# Altium PCB UM-64NNP-V1 rev 0.18.PcbDoc (part 4 of 5)
Units mil, origin at the board's own origin, x right, y up, seen from the top; angles counter-clockwise.
Board outline 3401.4 x 1878.03 mil, 6 copper layers (L1, L2, L3, L4, L5, L6), stack 20.4 mil thick; 336 components, 172 nets, 991 pads, 1862 vias.
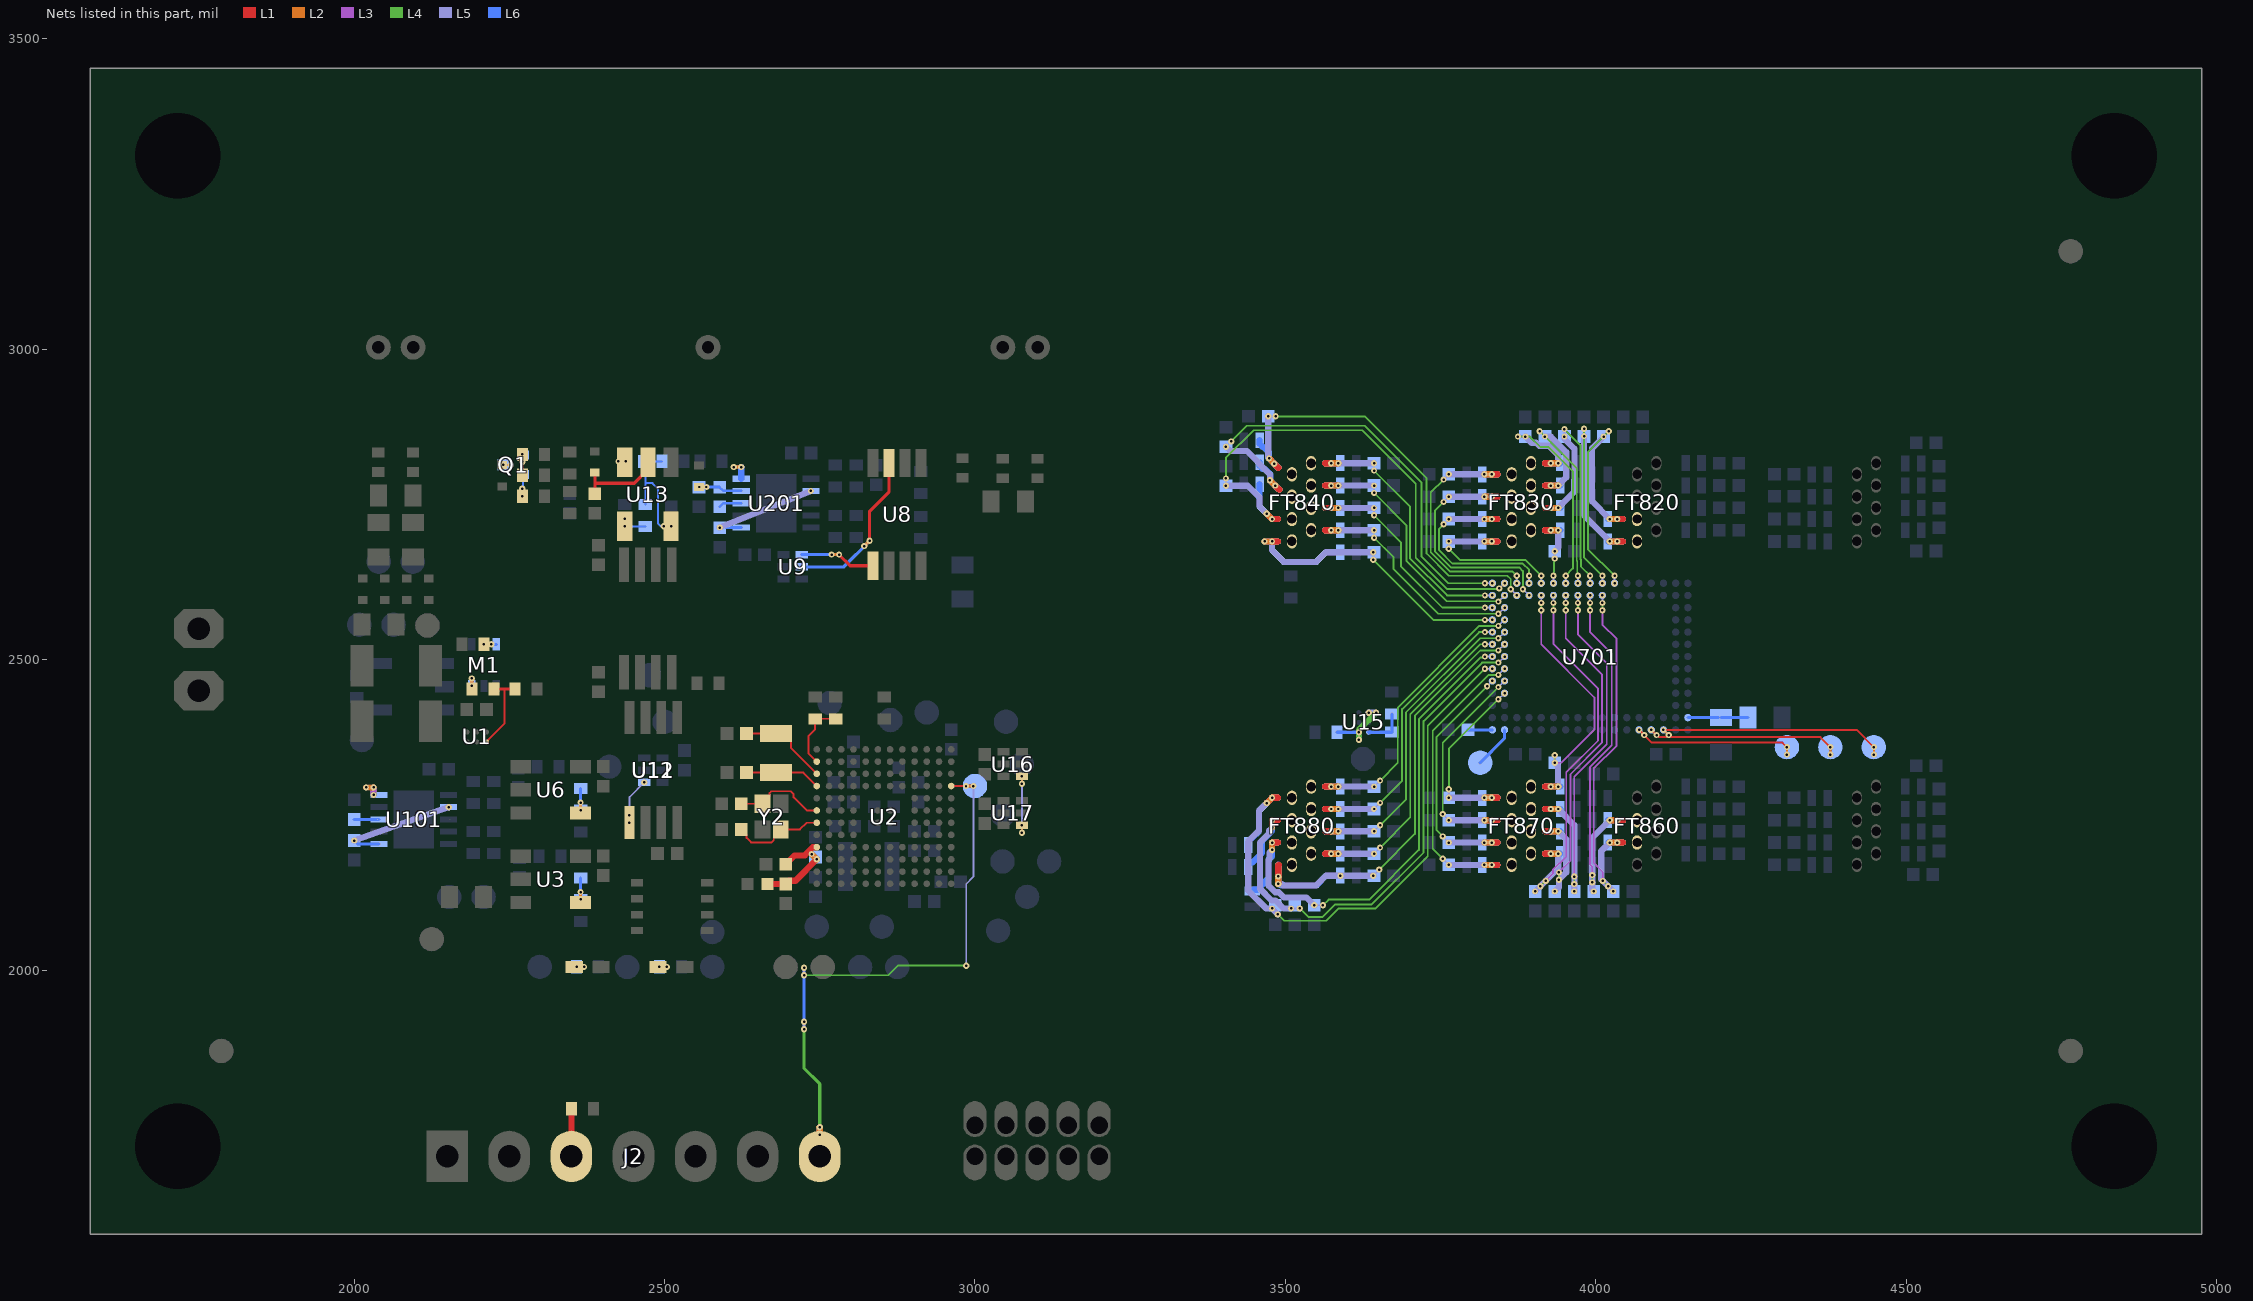
[diagram p8: the nets of this part, all layers, seen from the top]

## Via types
v1: diameter 10, hole 4, L5 to L6, tented bottom, 502 vias
v2: diameter 10, hole 4, L4 to L5, tented top, 404 vias
v3: diameter 10, hole 4, L3 to L4, 320 vias
v4: diameter 10, hole 4, L2 to L3, 311 vias
v5: diameter 10, hole 4, L1 to L2, tented top, 285 vias
v6: diameter 10, hole 4, L4 to L5, 34 vias
v7: diameter 10, hole 4, L3 to L4, tented both sides, 5 vias
v8: diameter 10, hole 4, L5 to L6, tented top, 1 vias

## Nets (pads, with @x,y where several pads share a name; then routed paths per layer and width w, separated by ;. In a path a pad name is that pad's centre, name@x,y a point inside that pad or via, vN(x,y) a via of type N, cw(c..) or ccw(c..) an arc to the next point about the centre after c; other vN are vias at no path point) (continued)
IN28: C823.2 D823.1 FT820.3 U701.A7 | length 558.6
  L1 w10: v1(4034.51,2726.5) 4043.63,2726.5
  L3 w10: v2(4022.51,2726.5) v1(4034.51,2726.5) 4043.63,2726.5
  L4 w3: v2(4020.99,2867.84) 3987.21,2834.07 3987.21,2678.19 v2(4030.22,2635.18)
  L4 w10: v2(4022.51,2726.5) v1(4034.51,2726.5) 4043.63,2726.5
  L2 w10: v2(4022.51,2726.5) v1(4034.51,2726.5) 4043.63,2726.5
  L5 w3: v1(4012.5,2859.36) v2(4020.99,2867.84) ; v1(4030.22,2623.18) v2(4030.22,2635.18)
  L5 w10: v1(4012.5,2859.36) 3994,2840.86 3994,2755.01 v2(4022.51,2726.5) v1(4034.51,2726.5) 4043.63,2726.5
  L6 w10: D823.1@4019.39,2726.5 v1(4034.51,2726.5) 4043.63,2726.5
  other v3: 4034.51,2726.5
  other v4: 4022.51,2726.5
  other v5: 4034.51,2726.5
IN29: C863.2 D863.1 FT860.3 U701.B8 | length 713
  L1 w10: v1(4034.51,2205.5) 4043.63,2205.5
  L3 w3: v3(4010.54,2579.5) 4010.54,2556.41 4033.5,2533.45 4033.5,2361.71 3996.77,2324.99 3996.77,2172.55 4011.28,2158.04 v3(4011.28,2143.62)
  L3 w10: v2(4022.51,2205.5) v1(4034.51,2205.5) 4043.63,2205.5
  L4 w3: v3(4010.54,2579.5) v2(4010.54,2591.5) ; v3(4011.28,2143.62) v2(4019.76,2135.14)
  L4 w10: v2(4022.51,2205.5) v1(4034.51,2205.5) 4043.63,2205.5
  L2 w10: v2(4022.51,2205.5) v1(4034.51,2205.5) 4043.63,2205.5
  L5 w3: v2(4010.54,2591.5) v1(4010.54,2603.5)
  L5 w10: v1(4028.25,2126.65) v2(4019.76,2135.14) 4008.86,2146.04 4008.86,2191.85 v2(4022.51,2205.5) v1(4034.51,2205.5) 4043.63,2205.5
  L6 w10: D863.1@4019.41,2205.5 v1(4034.51,2205.5) 4043.63,2205.5
  other v3: 4034.51,2205.5
  other v4: 4022.51,2205.5
  other v5: 4034.51,2205.5
IN30: C824.2 D824.1 FT820.4 U701.A8 | length 577.8
  L1 w10: v1(4034.51,2690.5) 4043.63,2690.5
  L3 w10: v2(4022.51,2690.5) v1(4034.51,2690.5) 4043.63,2690.5
  L4 w3: v2(3981,2872.1) 3981.21,2871.9 3981.21,2664.51 v2(4010.54,2635.18)
  L4 w10: v2(4022.51,2690.5) v1(4034.51,2690.5) 4043.63,2690.5
  L2 w10: v2(4022.51,2690.5) v1(4034.51,2690.5) 4043.63,2690.5
  L5 w3: v1(3981,2860.1) v2(3981,2872.1) ; v1(4010.54,2623.18) v2(4010.54,2635.18)
  L5 w10: v1(3981,2860.1) 3981,2732.01 v2(4022.51,2690.5) v1(4034.51,2690.5) 4043.63,2690.5
  L6 w10: D824.1@4019.39,2690.5 v1(4034.51,2690.5) 4043.63,2690.5
  other v3: 4034.51,2690.5
  other v4: 4022.51,2690.5
  other v5: 4034.51,2690.5
IN31: C862.2 D862.1 FT860.2 U701.B9 | length 738
  L1 w10: v1(4034.51,2241.5) 4043.63,2241.5
  L3 w3: v3(3990.85,2579.5) 3990.85,2544.44 4025.58,2509.71 4025.58,2362.37 3990.77,2327.56 3990.77,2170.06 3994.25,2166.59 v3(3994.25,2153.16)
  L3 w10: v2(4022.51,2241.5) v1(4034.51,2241.5) 4043.63,2241.5
  L4 w3: v3(3990.85,2579.5) v2(3990.85,2591.5) ; v2(3994.25,2141.16) v3(3994.25,2153.16)
  L4 w10: v2(4022.51,2241.5) v1(4034.51,2241.5) 4043.63,2241.5
  L2 w10: v2(4022.51,2241.5) v1(4034.51,2241.5) 4043.63,2241.5
  L5 w3: v2(3990.85,2591.5) v1(3990.85,2603.5)
  L5 w10: v1(3996.75,2126.65) 3994.25,2129.16 v2(3994.25,2141.16) 3994.25,2213.24 v2(4022.51,2241.5) v1(4034.51,2241.5) 4043.63,2241.5
  L6 w10: D862.1@4019.41,2241.5 v1(4034.51,2241.5) 4043.63,2241.5
  other v3: 4034.51,2241.5
  other v4: 4022.51,2241.5
  other v5: 4034.51,2241.5
IN32: C837.2 D837.1 FT830.7 U701.A9 | length 527.4
  L1 w10: 3918.38,2744.5 v1(3927.5,2744.5)
  L3 w10: 3918.38,2744.5 v1(3927.5,2744.5) v2(3939.5,2744.5)
  L4 w3: v2(3949.51,2871.36) 3975.21,2845.65 3975.21,2662.02 3976.13,2661.1 3976.13,2649.9 v2(3990.85,2635.18)
  L4 w10: 3918.38,2744.5 v1(3927.5,2744.5) v2(3939.5,2744.5)
  L2 w10: 3918.38,2744.5 v1(3927.5,2744.5) v2(3939.5,2744.5)
  L5 w3: v1(3949.51,2859.36) v2(3949.51,2871.36) ; v1(3990.85,2623.18) v2(3990.85,2635.18)
  L5 w10: 3918.38,2744.5 v1(3927.5,2744.5) v2(3939.5,2744.5) 3965.21,2770.22 3965.21,2789.27 3965.5,2789.56 3965.5,2839.77 3949.51,2855.76 v1(3949.51,2859.36)
  L6 w10: 3918.38,2744.5 v1(3927.5,2744.5) D837.1@3942.62,2744.5
  other v3: 3927.5,2744.5
  other v4: 3939.5,2744.5
  other v5: 3927.5,2744.5
IN33: C836.2 D836.1 FT830.6 U701.A10 | length 504.1
  L1 w10: 3918.38,2780.5 v1(3927.5,2780.5)
  L3 w10: 3918.38,2780.5 v1(3927.5,2780.5) v2(3939.5,2780.5)
  L4 w3: v2(3909.53,2867.84) 3969.21,2808.16 3969.21,2659.53 3970.13,2658.61 3970.13,2636.21 v2(3971.16,2635.18)
  L4 w10: 3918.38,2780.5 v1(3927.5,2780.5) v2(3939.5,2780.5)
  L2 w10: 3918.38,2780.5 v1(3927.5,2780.5) v2(3939.5,2780.5)
  L5 w3: v2(3909.53,2867.84) v1(3918.01,2859.36) ; v1(3971.16,2623.18) v2(3971.16,2635.18)
  L5 w10: v1(3918.01,2859.36) 3927.53,2859.36 3952.5,2834.39 3952.5,2793.5 v2(3939.5,2780.5) v1(3927.5,2780.5) 3918.38,2780.5
  L6 w10: 3918.38,2780.5 v1(3927.5,2780.5) D836.1@3942.62,2780.5
  other v3: 3927.5,2780.5
  other v4: 3939.5,2780.5
  other v5: 3927.5,2780.5
IN34: C876.2 D876.1 FT870.6 U701.B10 | length 767.3
  L1 w10: 3918.38,2259.5 v5(3927.5,2259.5)
  L3 w3: v3(3965.26,2150.65) 3965.26,2311.46 4017.59,2363.8 4017.59,2494.3 3971.16,2540.73 v3(3971.16,2579.5)
  L3 w10: 3918.38,2259.5 v5(3927.5,2259.5) v4(3939.5,2259.5)
  L4 w3: v2(3965.26,2138.65) v3(3965.26,2150.65) ; v3(3971.16,2579.5) v2(3971.16,2591.5)
  L4 w10: 3918.38,2259.5 v5(3927.5,2259.5) v4(3939.5,2259.5)
  L2 w10: 3918.38,2259.5 v5(3927.5,2259.5) v4(3939.5,2259.5)
  L5 w3: v2(3971.16,2591.5) v1(3971.16,2603.5)
  L5 w10: 3918.38,2259.5 v5(3927.5,2259.5) v4(3939.5,2259.5) 3965.5,2233.5 3965.5,2138.9 v2(3965.26,2138.65) v1(3965.26,2126.65)
  L6 w10: 3918.38,2259.5 v5(3927.5,2259.5) D876.1@3942.64,2259.5
  other v1: 3927.5,2259.5
  other v2: 3939.5,2259.5
  other v3: 3927.5,2259.5
IN35: C835.2 D835.1 FT830.5 U701.A11 | length 504.7
  L1 w10: 3918.38,2816.5 v1(3927.5,2816.5)
  L3 w10: 3918.38,2816.5 v1(3927.5,2816.5) v2(3939.5,2816.5)
  L4 w3: v2(3874.52,2859.36) 3893.94,2859.36 3910.9,2842.39 3924.05,2842.39 3963.21,2803.23 3963.21,2646.91 v2(3951.48,2635.18)
  L4 w10: 3918.38,2816.5 v1(3927.5,2816.5) v2(3939.5,2816.5)
  L2 w10: 3918.38,2816.5 v1(3927.5,2816.5) v2(3939.5,2816.5)
  L5 w3: v2(3874.52,2859.36) v1(3886.52,2859.36) ; v1(3951.48,2623.18) v2(3951.48,2635.18)
  L5 w10: v1(3886.52,2859.36) 3896.37,2849.5 3903.79,2849.5 3908.79,2844.5 3924,2844.5 3939.5,2829 v2(3939.5,2816.5) v1(3927.5,2816.5) 3918.38,2816.5
  L6 w10: 3918.38,2816.5 v1(3927.5,2816.5) D835.1@3942.62,2816.5
  other v3: 3927.5,2816.5
  other v4: 3939.5,2816.5
  other v5: 3927.5,2816.5
IN36: C877.2 D877.1 FT870.7 U701.B11 | length 738.8
  L1 w10: 3918.38,2223.5 v5(3927.5,2223.5)
  L3 w3: v3(3940.5,2157.39) 3959.26,2176.15 3959.26,2315.55 4009.8,2366.09 4009.8,2476.27 3951.48,2534.59 v3(3951.48,2579.5)
  L3 w10: 3918.38,2223.5 v5(3927.5,2223.5) v4(3939.5,2223.5)
  L4 w3: v2(3940.5,2145.39) v3(3940.5,2157.39) ; v3(3951.48,2579.5) v2(3951.48,2591.5)
  L4 w10: 3918.38,2223.5 v5(3927.5,2223.5) v4(3939.5,2223.5)
  L2 w10: 3918.38,2223.5 v5(3927.5,2223.5) v4(3939.5,2223.5)
  L5 w3: v2(3951.48,2591.5) v1(3951.48,2603.5)
  L5 w10: 3918.38,2223.5 v5(3927.5,2223.5) v4(3939.5,2223.5) 3952.5,2210.5 3952.5,2157.39 v2(3940.5,2145.39) 3940.5,2133.39 v1(3933.76,2126.65)
  L6 w10: 3918.38,2223.5 v5(3927.5,2223.5) D877.1@3942.64,2223.5
  other v1: 3927.5,2223.5
  other v2: 3939.5,2223.5
  other v3: 3927.5,2223.5
IN37: C838.2 D838.1 FT830.8 U701.A12 | length 206.3
  L1 w10: 3918.38,2708.5 v1(3927.5,2708.5)
  L3 w10: 3918.38,2708.5 v1(3927.5,2708.5) v2(3939.5,2708.5)
  L4 w3: v2(3931.79,2635.18) 3932.77,2636.16 3932.77,2661.77 v2(3933.76,2662.76)
  L4 w10: 3918.38,2708.5 v1(3927.5,2708.5) v2(3939.5,2708.5)
  L2 w10: 3918.38,2708.5 v1(3927.5,2708.5) v2(3939.5,2708.5)
  L5 w3: v1(3931.79,2623.18) v2(3931.79,2635.18) ; v2(3933.76,2662.76) v1(3933.76,2674.76)
  L5 w10: 3918.38,2708.5 v1(3927.5,2708.5) v2(3939.5,2708.5) 3939.5,2680.5 v1(3933.76,2674.76)
  L6 w10: 3918.38,2708.5 v1(3927.5,2708.5) D838.1@3942.62,2708.5
  other v3: 3927.5,2708.5
  other v4: 3939.5,2708.5
  other v5: 3927.5,2708.5
IN38: C878.2 D878.1 FT870.8 U701.B12 | length 730.8
  L1 w10: 3918.38,2187.5 v5(3927.5,2187.5)
  L3 w3: v3(3919.23,2143.62) 3931,2155.39 3931,2161.33 3952.29,2182.62 3952.29,2318.33 4003.8,2369.84 4003.8,2453.47 3931.79,2525.49 v3(3931.79,2579.5)
  L3 w10: 3918.38,2187.5 v5(3927.5,2187.5) v4(3939.5,2187.5)
  L4 w3: v2(3910.75,2135.14) v3(3919.23,2143.62) ; v3(3931.79,2579.5) v2(3931.79,2591.5)
  L4 w10: 3918.38,2187.5 v5(3927.5,2187.5) v4(3939.5,2187.5)
  L2 w10: 3918.38,2187.5 v5(3927.5,2187.5) v4(3939.5,2187.5)
  L5 w3: v2(3931.79,2591.5) v1(3931.79,2603.5)
  L5 w10: v1(3902.26,2126.65) 3939.5,2163.89 v4(3939.5,2187.5) v5(3927.5,2187.5) 3918.38,2187.5
  L6 w10: 3918.38,2187.5 v5(3927.5,2187.5) D878.1@3942.64,2187.5
  other v1: 3927.5,2187.5
  other v2: 3939.5,2187.5
  other v3: 3927.5,2187.5
IN39: C834.2 D834.1 FT830.4 U701.A13 | length 377.9
  L1 w10: v1(3832.51,2690.5) 3841.63,2690.5
  L3 w10: v2(3820.51,2690.5) v1(3832.51,2690.5) 3841.63,2690.5
  L4 w3: v2(3763.26,2678.5) 3781.04,2660.72 3886.57,2660.72 v2(3912.11,2635.18)
  L4 w10: v2(3820.51,2690.5) v1(3832.51,2690.5) 3841.63,2690.5
  L2 w10: v2(3820.51,2690.5) v1(3832.51,2690.5) 3841.63,2690.5
  L5 w3: v2(3763.26,2678.5) v1(3763.26,2690.5) ; v1(3912.11,2623.18) v2(3912.11,2635.18)
  L5 w10: v1(3763.26,2690.5) v1(3832.51,2690.5) ; v2(3820.51,2690.5) v1(3832.51,2690.5) ; 3841.63,2690.5 v1(3832.51,2690.5)
  L6 w10: D834.1@3817.39,2690.5 v1(3832.51,2690.5) 3841.63,2690.5
  other v3: 3832.51,2690.5
  other v4: 3820.51,2690.5
  other v5: 3832.51,2690.5
IN40: C875.2 D875.1 FT870.5 U701.B13 | length 532.1
  L1 w10: 3918.38,2295.5 v5(3927.5,2295.5)
  L3 w3: v3(3912.11,2579.5) 3912.11,2524.75 3997.8,2439.06 3997.8,2387.48 3944.29,2333.97 v1(3933.76,2333.97)
  L3 w10: 3918.38,2295.5 v5(3927.5,2295.5) v4(3939.5,2295.5)
  L4 w3: v3(3912.11,2579.5) v2(3912.11,2591.5) ; v1(3933.76,2333.97) v2(3933.76,2345.97)
  L4 w10: 3918.38,2295.5 v5(3927.5,2295.5) v4(3939.5,2295.5)
  L2 w10: 3918.38,2295.5 v5(3927.5,2295.5) v4(3939.5,2295.5)
  L5 w3: v2(3912.11,2591.5) v1(3912.11,2603.5) ; v1(3933.76,2333.97) v2(3933.76,2345.97)
  L5 w10: 3918.38,2295.5 v5(3927.5,2295.5) ; v1(3933.76,2333.97) 3938.94,2328.79 v2@3938.94,2295.5 ; v5(3927.5,2295.5) v4(3939.5,2295.5) v5(3927.5,2295.5)
  L6 w10: 3918.38,2295.5 v5(3927.5,2295.5) D875.1@3942.62,2295.5
  other v1: 3927.5,2295.5
  other v2: 3939.5,2295.5
  other v3: 3927.5,2295.5 3933.76,2333.97
IN41: C833.2 D833.1 FT830.3 U701.A14 | length 423.2
  L1 w10: v1(3832.51,2726.5) 3841.63,2726.5
  L3 w10: v2(3820.51,2726.5) v1(3832.51,2726.5) 3841.63,2726.5
  L4 w3: v2(3754.77,2718.02) 3747.51,2710.76 3747.51,2676.38 3769.17,2654.72 3882.34,2654.72 3892.42,2644.64 v2(3892.42,2635.18)
  L4 w10: v2(3820.51,2726.5) v1(3832.51,2726.5) 3841.63,2726.5
  L2 w10: v2(3820.51,2726.5) v1(3832.51,2726.5) 3841.63,2726.5
  L5 w3: v2(3754.77,2718.02) v1(3763.26,2726.5) ; v1(3892.42,2623.18) v2(3892.42,2635.18)
  L5 w10: v1(3763.26,2726.5) v1(3832.51,2726.5) ; v2(3820.51,2726.5) v1(3832.51,2726.5) ; 3841.63,2726.5 v1(3832.51,2726.5)
  L6 w10: D833.1@3817.39,2726.5 v1(3832.51,2726.5) 3841.63,2726.5
  other v3: 3832.51,2726.5
  other v4: 3820.51,2726.5
  other v5: 3832.51,2726.5
IN42: C832.2 D832.1 FT830.2 U701.B14 | length 482.5
  L1 w10: v1(3832.51,2762.5) 3841.63,2762.5
  L3 w10: v2(3820.51,2762.5) v1(3832.51,2762.5) 3841.63,2762.5
  L4 w3: v2(3754.77,2754.02) 3740.9,2740.15 3740.9,2674.51 3766.69,2648.72 3876.59,2648.72 3882.58,2642.73 v2(3882.58,2613.34)
  L4 w10: v2(3820.51,2762.5) v1(3832.51,2762.5) 3841.63,2762.5
  L2 w10: v2(3820.51,2762.5) v1(3832.51,2762.5) 3841.63,2762.5
  L5 w3: v2(3754.77,2754.02) v1(3763.26,2762.5) ; v2(3882.58,2613.34) v1(3892.42,2603.5)
  L5 w10: v1(3763.26,2762.5) v1(3832.51,2762.5) ; v2(3820.51,2762.5) v1(3832.51,2762.5) ; 3841.63,2762.5 v1(3832.51,2762.5)
  L6 w10: D832.1@3817.39,2762.5 v1(3832.51,2762.5) 3841.63,2762.5
  other v3: 3832.51,2762.5
  other v4: 3820.51,2762.5
  other v5: 3832.51,2762.5
IN43: C831.2 D831.1 FT830.1 U701.A15 | length 490.9
  L1 w10: v5(3832.51,2798.5) 3841.63,2798.5
  L3 w10: v4(3820.51,2798.5) v5(3832.51,2798.5) 3841.63,2798.5
  L4 w3: v2(3754.77,2790.02) 3734.23,2769.48 3734.23,2672.69 3764.66,2642.26 3865.66,2642.26 v2(3872.74,2635.18)
  L4 w10: v4(3820.51,2798.5) v5(3832.51,2798.5) 3841.63,2798.5
  L2 w10: v4(3820.51,2798.5) v5(3832.51,2798.5) 3841.63,2798.5
  L5 w3: v2(3754.77,2790.02) v1(3763.26,2798.5) ; v1(3872.74,2623.18) v2(3872.74,2635.18)
  L5 w10: v1(3763.26,2798.5) v5(3832.51,2798.5) ; v4(3820.51,2798.5) v5(3832.51,2798.5) ; 3841.63,2798.5 v5(3832.51,2798.5)
  L6 w10: D831.1@3817.39,2798.5 v5(3832.51,2798.5) 3841.63,2798.5
  other v1: 3832.51,2798.5
  other v2: 3820.51,2798.5
  other v3: 3832.51,2798.5
IN44: C841.2 D841.1 FT840.1 U701.B15 | length 820.7
  L1 w10: v5(3482.23,2815.58) 3488.68,2809.13
  L3 w10: v4(3473.74,2824.07) v5(3482.23,2815.58) 3488.68,2809.13
  L4 w3: v2(3484.24,2891.94) 3627.99,2891.94 3727.43,2792.5 3727.43,2671.01 3763.26,2635.18 3857.67,2635.18 3862.9,2629.95 v2(3862.9,2613.34)
  L4 w10: v4(3473.74,2824.07) v5(3482.23,2815.58) 3488.68,2809.13
  L2 w10: v4(3473.74,2824.07) v5(3482.23,2815.58) 3488.68,2809.13
  L5 w3: v1(3472.24,2891.94) v2(3484.24,2891.94) ; v2(3862.9,2613.34) v1(3872.74,2603.5)
  L5 w10: v1(3472.24,2891.94) 3472.24,2825.57 v4(3473.74,2824.07) v5(3482.23,2815.58) 3488.68,2809.13
  L6 w10: D841.1@3458.39,2853.47 3458.39,2847.57 3463.39,2842.57 3464.86,2842.57 3473.28,2834.15 3473.28,2824.54 v5(3482.23,2815.58) 3488.68,2809.13
  other v1: 3482.23,2815.58
  other v2: 3473.74,2824.07
  other v3: 3482.23,2815.58
IN45: C843.2 D843.1 FT840.3 U701.A16 | length 951.6
  L1 w10: v1(3478.51,2726.5) 3487.63,2726.5
  L3 w10: v2(3470.02,2734.99) v1(3478.51,2726.5) 3487.63,2726.5
  L4 w3: v2(3404.26,2792) 3404.26,2824.93 3448.76,2869.44 3623.78,2869.44 3709.87,2783.35 3709.87,2664.41 3760.61,2613.68 3843.55,2613.68 v2(3844.56,2614.69)
  L4 w10: v2(3470.02,2734.99) v1(3478.51,2726.5) 3487.63,2726.5
  L2 w10: v2(3470.02,2734.99) v1(3478.51,2726.5) 3487.63,2726.5
  L5 w3: v1(3404.26,2780) v2(3404.26,2792) ; v2(3844.56,2614.69) v1(3853.05,2623.18)
  L5 w10: v1(3404.26,2780) 3439.29,2780 3458.39,2760.91 3458.39,2746.63 v1(3478.51,2726.5) 3487.63,2726.5
  L6 w10: D843.1@3458.39,2782.61 3458.39,2746.63 v1(3478.51,2726.5) 3487.63,2726.5
  other v3: 3478.51,2726.5
  other v4: 3470.02,2734.99
  other v5: 3478.51,2726.5
IN46: C846.2 D846.1 FT840.6 U701.B16 | length 519.2
  L1 w10: 3564.38,2780.5 v1(3573.5,2780.5)
  L3 w10: 3564.38,2780.5 v1(3573.5,2780.5) v2(3585.5,2780.5)
  L4 w3: v2(3642.75,2768.5) 3694.99,2716.26 3694.99,2659.17 3760.16,2594 v2@3843.21,2594
  L4 w10: 3564.38,2780.5 v1(3573.5,2780.5) v2(3585.5,2780.5)
  L2 w10: 3564.38,2780.5 v1(3573.5,2780.5) v2(3585.5,2780.5)
  L5 w3: v2(3642.75,2768.5) v1(3642.75,2780.5) ; v2(3843.21,2593.66) v1(3853.05,2603.5)
  L5 w10: 3564.38,2780.5 v1(3573.5,2780.5) ; v2(3585.5,2780.5) v1(3573.5,2780.5) ; v1(3642.75,2780.5) v1(3573.5,2780.5)
  L6 w10: 3564.38,2780.5 v1(3573.5,2780.5) D846.1@3588.62,2780.5
  other v3: 3573.5,2780.5
  other v4: 3585.5,2780.5
  other v5: 3573.5,2780.5
IN47: C842.2 D842.1 FT840.2 U701.A17 | length 869.7
  L1 w10: v5(3483.55,2780.45) 3490,2774
  L3 w10: v4(3475.07,2788.93) v5(3483.55,2780.45) 3490,2774
  L4 w3: v2(3412.74,2851.48) 3438.04,2876.78 3627.97,2876.78 3718.98,2785.77 3718.98,2666.81 3762.62,2623.18 v2(3821.37,2623.18)
  L4 w10: v4(3475.07,2788.93) v5(3483.55,2780.45) 3490,2774
  L2 w10: v4(3475.07,2788.93) v5(3483.55,2780.45) 3490,2774
  L5 w3: v1(3404.26,2842.99) v2(3412.74,2851.48) ; v2(3821.37,2623.18) v1(3833.37,2623.18)
  L5 w10: v1(3404.26,2842.99) 3411.05,2836.19 3437.72,2836.19 3475.07,2798.85 v4(3475.07,2788.93) v5(3483.55,2780.45) 3490,2774
  L6 w10: D842.1@3458.39,2818.04 3458.39,2812.13 3463.39,2807.13 3466.95,2807.13 3475.74,2798.35 3475.74,2788.26 v5(3483.55,2780.45) 3490,2774
  other v1: 3483.55,2780.45
  other v2: 3475.07,2788.93
  other v3: 3483.55,2780.45
IN48: C845.2 D845.1 FT840.5 U701.B17 | length 521.8
  L1 w10: 3564.38,2816.5 v1(3573.5,2816.5)
  L3 w10: 3564.38,2816.5 v1(3573.5,2816.5) v2(3585.5,2816.5)
  L4 w3: v2(3642.75,2804.5) 3700.99,2746.26 3700.99,2662.92 3760.42,2603.5 v2(3821.37,2603.5)
  L4 w10: 3564.38,2816.5 v1(3573.5,2816.5) v2(3585.5,2816.5)
  L2 w10: 3564.38,2816.5 v1(3573.5,2816.5) v2(3585.5,2816.5)
  L5 w3: v2(3642.75,2804.5) v1(3642.75,2816.5) ; v2(3821.37,2603.5) v1(3833.37,2603.5)
  L5 w10: 3564.38,2816.5 v1(3573.5,2816.5) ; v2(3585.5,2816.5) v1(3573.5,2816.5) ; v1(3642.75,2816.5) v1(3573.5,2816.5)
  L6 w10: 3564.38,2816.5 v1(3573.5,2816.5) D845.1@3588.62,2816.5
  other v3: 3573.5,2816.5
  other v4: 3585.5,2816.5
  other v5: 3573.5,2816.5
IN49: C848.2 D848.1 FT840.8 U701.C16 | length 475.5
  L1 w10: 3564.38,2708.5 v1(3573.5,2708.5)
  L3 w10: 3564.38,2708.5 v1(3573.5,2708.5) v2(3585.5,2708.5)
  L4 w3: v2(3642.75,2696.5) 3674.25,2665.01 3674.25,2645.73 3746.01,2573.97 v2(3843.21,2573.97)
  L4 w10: 3564.38,2708.5 v1(3573.5,2708.5) v2(3585.5,2708.5)
  L2 w10: 3564.38,2708.5 v1(3573.5,2708.5) v2(3585.5,2708.5)
  L5 w3: v2(3642.75,2696.5) v1(3642.75,2708.5) ; v2(3843.21,2573.97) v1(3853.05,2583.81)
  L5 w10: 3564.38,2708.5 v1(3573.5,2708.5) ; v2(3585.5,2708.5) v1(3573.5,2708.5) ; v1(3642.75,2708.5) v1(3573.5,2708.5)
  L6 w10: 3564.38,2708.5 v1(3573.5,2708.5) D848.1@3588.62,2708.5
  other v3: 3573.5,2708.5
  other v4: 3585.5,2708.5
  other v5: 3573.5,2708.5
IN50: C847.2 D847.1 FT840.7 U701.C17 | length 473.8
  L1 w10: 3564.38,2744.5 v1(3573.5,2744.5)
  L3 w10: 3564.38,2744.5 v1(3573.5,2744.5) v2(3585.5,2744.5)